# Altium PCB m-BLANC.PcbDoc (part 13 of 15) (continued)
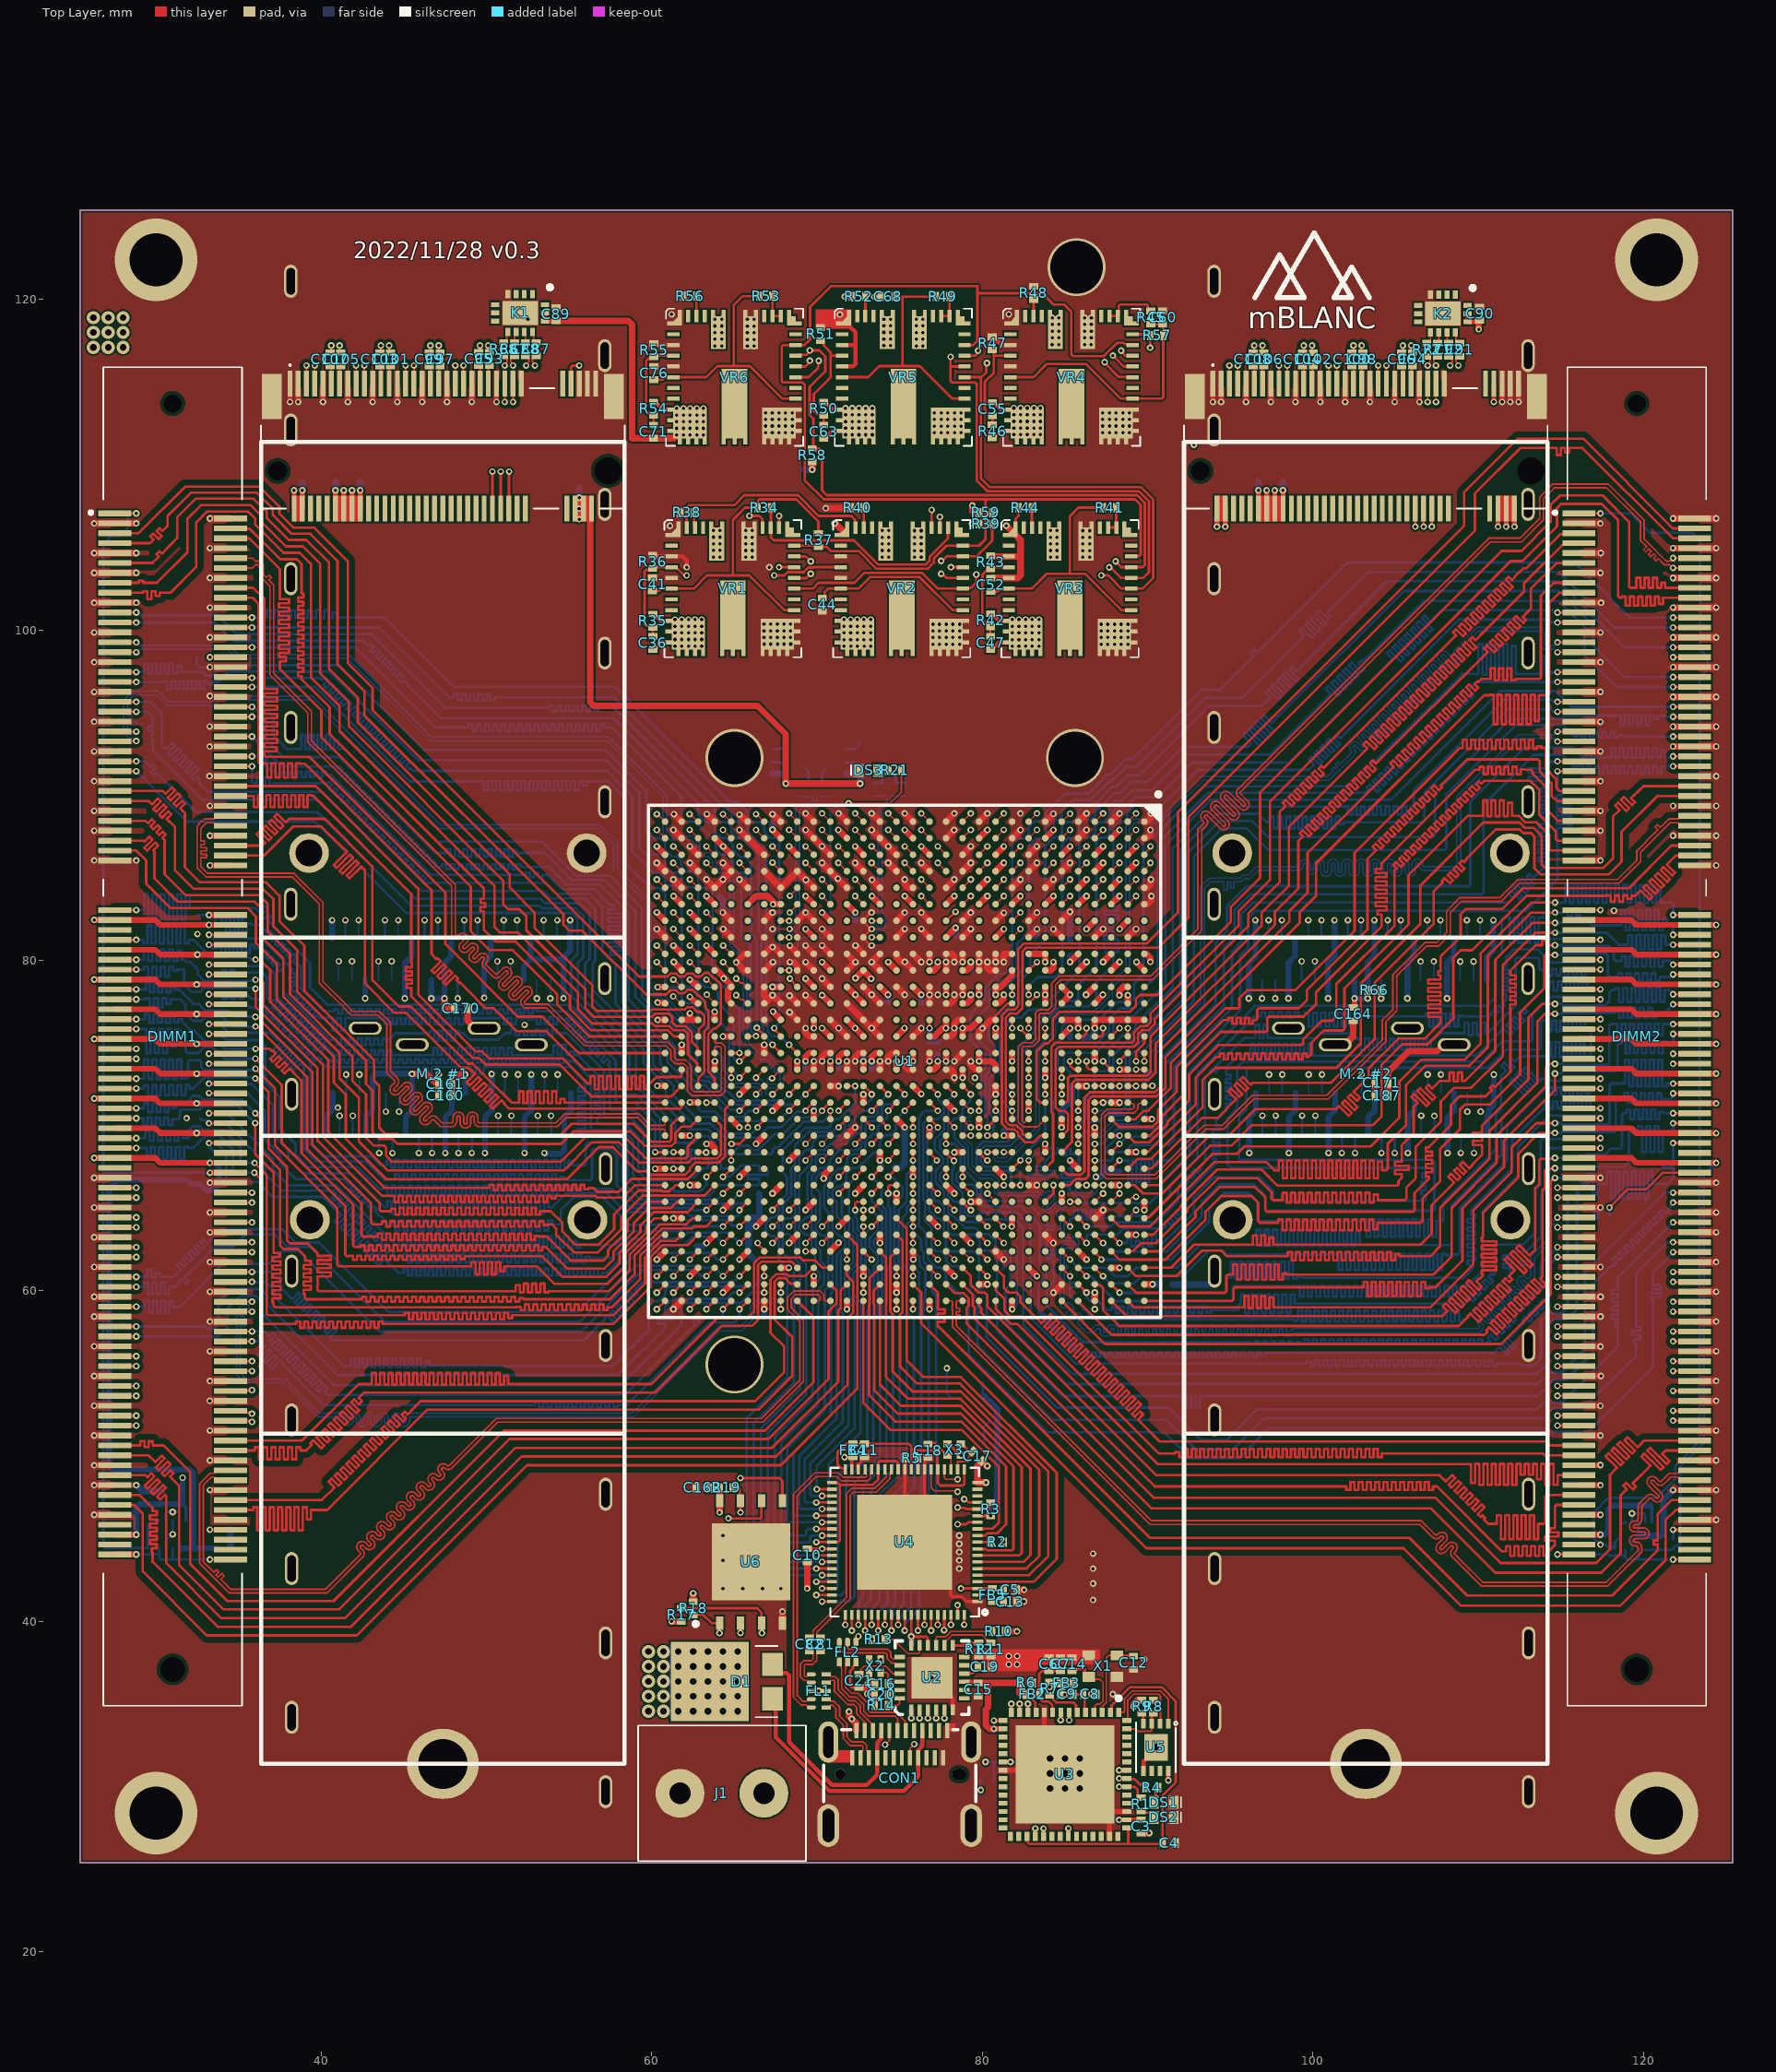
[diagram p0: Top Layer view]
## Nets (pads, with @x,y where several pads share a name; then routed paths per layer and width w, separated by ;. In a path a pad name is that pad's centre, name@x,y a point inside that pad or via, vN(x,y) a via of type N, cw(c..) or ccw(c..) an arc to the next point about the centre after c; other vN are vias at no path point) (continued)
  Bottom Layer w0.1: 100.15,69.48 v1(100.15,70.605)
QSFP1_RX3_P: "QSFP+ #1.15" U1.Y6 | length 77.4
  Top Layer w0.1: v1(70.3,83.9) U1.Y6@70.8,83.4
  InLayer2 (Signal) w0.1: v1(70.3,83.9) 70.3,84.229 70.359,84.288 70.632,84.288 70.69,84.229 70.69,76.649 70.881,76.459 101.296,76.459 101.505,76.459 101.695,76.649 101.695,76.949 101.895,76.949 101.895,76.584 102.027,76.452 102.413,76.452 102.545,76.584 102.545,76.949 102.745,76.949 102.745,76.584 102.877,76.452 103.263,76.452 103.395,76.584 103.395,76.949 103.595,76.949 103.595,76.584 103.727,76.452 104.113,76.452 104.245,76.584 104.245,76.949 104.445,76.949 104.445,76.582 104.577,76.45 104.963,76.45 105.095,76.582 105.095,76.949 105.295,76.949 105.295,76.582 105.427,76.45 105.813,76.45 105.945,76.582 105.945,76.903 106.145,76.903 106.145,76.649 106.335,76.459 106.601,76.459 106.909,76.459 106.976,76.391 106.976,75.403 106.976,74.993 106.917,74.934 106.113,74.934 105.981,74.802 105.981,74.416 106.113,74.284 106.917,74.284 106.976,74.225 106.976,74.11 106.976,73.9 106.917,73.842 106.194,73.842 106.004,73.651 106.004,72.713 106.194,72.522 107.641,72.522 107.7,72.464 107.7,69.834 107.641,69.775 106.91,69.775 106.55,69.775 106.55,69.97 106.35,69.97 106.35,69.775 106.3,69.775 102.102,69.775 101.804,69.775 101.746,69.834 101.746,71.071 101.614,71.203 101.228,71.203 101.096,71.071 101.096,69.834 101.037,69.775 100.921,69.775 99.659,69.775 99.6,69.834 99.6,70.041 99.659,70.1 100.6,70.1 100.7,70.2 100.76,70.26 100.76,71.003 100.57,71.194 99.832,71.194 99.638,70.999 99.638,70.73 99.57,70.662 99.407,70.662 v1(99.35,70.605)
  Bottom Layer w0.1: 99.35,69.48 v1(99.35,70.605)
QSFP1_RX4_N: "QSFP+ #1.24" U1.W3 | length 75.5
  Top Layer w0.1: v1(71.28,86.9) 71.29,86.9 71.79,86.4 U1.W3@71.8,86.4
  InLayer2 (Signal) w0.1: v1(71.28,86.9) 71.28,86.571 71.184,86.475 71.037,86.475 70.648,86.086 70.648,85.757 70.418,85.527 70.114,85.527 69.725,85.138 69.725,76.97 70.65,76.045 70.65,75.743 71.274,75.119 89.19,75.119 89.399,75.119 89.59,75.309 89.59,75.93 89.79,75.93 89.79,75.251 89.921,75.119 90.308,75.119 90.44,75.251 90.44,75.93 90.64,75.93 90.64,75.251 90.771,75.119 91.158,75.119 91.29,75.251 91.29,75.93 91.49,75.93 91.49,75.251 91.621,75.119 92.008,75.119 92.14,75.251 92.14,75.93 92.34,75.93 92.34,75.251 92.471,75.119 92.858,75.119 92.99,75.251 92.99,75.93 93.19,75.93 93.19,75.251 93.321,75.119 93.708,75.119 93.84,75.251 93.84,75.93 94.04,75.93 94.04,75.251 94.171,75.119 94.558,75.119 94.69,75.251 94.69,75.93 94.89,75.93 94.89,75.251 95.021,75.119 95.408,75.119 95.54,75.251 95.54,75.93 95.74,75.93 95.74,75.251 95.871,75.119 96.258,75.119 96.39,75.251 96.39,75.447 96.59,75.447 96.59,75.309 96.78,75.119 97.621,75.119 99.553,75.119 100.462,76.027 104.212,76.027 104.283,75.957 104.283,75.303 104.473,75.113 105.466,75.113 105.525,75.054 105.525,73.814 105.525,73.564 105.144,73.564 105.144,73.364 105.525,73.364 105.525,73.164 105.412,73.164 105.412,72.964 105.525,72.964 105.525,72.616 105.525,72.116 105.466,72.057 99.321,72.057 99.263,72.116 99.263,73.407 99.321,73.465 99.941,73.465 99.999,73.407 99.999,73.345 99.999,73.263 99.941,73.204 99.935,73.204 99.831,73.1 v1(99.75,73.1)
  Bottom Layer w0.1: 99.75,71.98 v1(99.75,73.1)
QSFP1_RX4_P: "QSFP+ #1.25" U1.W4 | length 75.7
  Top Layer w0.1: v1(71.28,85.9) 71.29,85.9 71.79,85.4 U1.W4@71.8,85.4
  InLayer2 (Signal) w0.1: v1(71.28,85.9) 71.28,86.191 71.221,86.25 71.13,86.25 70.873,85.993 70.873,85.664 70.511,85.302 70.207,85.302 69.95,85.045 69.95,77.063 70.875,76.138 70.875,75.836 71.368,75.344 89.19,75.344 89.306,75.344 89.365,75.402 89.365,76.023 89.496,76.155 89.883,76.155 90.015,76.023 90.015,75.344 90.215,75.344 90.215,76.023 90.346,76.155 90.733,76.155 90.865,76.023 90.865,75.344 91.065,75.344 91.065,76.023 91.196,76.155 91.583,76.155 91.715,76.023 91.715,75.344 91.915,75.344 91.915,76.023 92.046,76.155 92.433,76.155 92.565,76.023 92.565,75.344 92.765,75.344 92.765,76.023 92.896,76.155 93.283,76.155 93.415,76.023 93.415,75.344 93.615,75.344 93.615,76.023 93.746,76.155 94.133,76.155 94.265,76.023 94.265,75.344 94.465,75.344 94.465,76.023 94.596,76.155 94.983,76.155 95.115,76.023 95.115,75.344 95.315,75.344 95.315,76.023 95.446,76.155 95.833,76.155 95.965,76.023 95.965,75.344 96.165,75.344 96.165,75.54 96.296,75.672 96.683,75.672 96.815,75.54 96.815,75.402 96.873,75.344 97.621,75.344 99.46,75.344 100.368,76.252 104.305,76.252 104.508,76.05 104.508,75.396 104.567,75.338 105.56,75.338 105.75,75.147 105.75,72.022 105.56,71.832 99.228,71.832 99.038,72.022 99.038,73.5 99.228,73.69 100.034,73.69 100.224,73.5 100.224,73.439 100.224,73.263 100.33,73.157 100.493,73.157 v1(100.55,73.1)
  Bottom Layer w0.1: 100.55,71.98 v1(100.55,73.1)
QSFP1_TX1_N: "QSFP+ #1.37" U1.AF1 | length 71.6
  Top Layer w0.1: v1(64.3,88.855) 64.323,88.855 64.777,88.4 U1.AF1@64.8,88.4
  InLayer2 (Signal) w0.1: v1(64.3,88.855) 64.243,88.798 64.243,88.549 64.107,88.413 63.873,88.413 63.839,88.413 63.648,88.222 63.648,87.648 64.039,87.257 65.438,87.257 65.65,87.045 65.65,84.761 65.45,84.561 65.45,80.634 65.452,80.631 65.452,77.445 64.704,76.697 64.704,73.673 65.057,73.32 65.375,73.32 65.725,72.97 65.725,71.662 66.112,71.275 71.8,71.275 72.358,70.717 72.776,70.299 87.29,70.299 87.764,69.825 88.489,69.825 90.539,67.775 110.03,67.775 110.325,68.07 110.325,68.6 110.325,69.797 109.859,70.263 109.859,70.729 109.922,70.793 110.093,70.793 v1(110.15,70.85)
  Bottom Layer w0.1: v1(110.15,70.85) 110.15,71.98
QSFP1_TX1_P: "QSFP+ #1.36" U1.AF2 | length 71.7
  Top Layer w0.1: v1(64.3,87.9) U1.AF2@64.8,87.4
  InLayer2 (Signal) w0.1: v1(64.3,87.9) 64.243,87.957 64.243,88.12 64.175,88.188 63.966,88.188 63.932,88.188 63.873,88.129 63.873,87.741 64.132,87.482 65.531,87.482 65.875,87.138 65.875,84.668 65.675,84.468 65.675,80.727 65.677,80.725 65.677,77.352 64.929,76.603 64.929,73.766 65.15,73.545 65.468,73.545 65.95,73.063 65.95,71.755 66.205,71.5 71.893,71.5 72.583,70.81 72.869,70.524 87.383,70.524 87.857,70.05 88.582,70.05 90.632,68 109.937,68 110.1,68.163 110.1,68.6 110.1,68.853 109.817,68.853 109.817,69.053 110.1,69.053 110.1,69.253 109.75,69.253 109.75,69.453 110.1,69.453 110.1,69.703 ; v1(109.35,70.85) 109.407,70.793 109.563,70.793 109.634,70.722 109.634,70.17 110.1,69.703
  Bottom Layer w0.1: v1(109.35,70.85) 109.35,71.98
QSFP1_TX2_N: "QSFP+ #1.2" U1.AD1 | length 72.5
  Top Layer w0.1: v1(66.3,88.855) 66.323,88.855 66.777,88.4 U1.AD1@66.8,88.4
  InLayer2 (Signal) w0.1: v1(66.3,88.855) 66.3,88.549 66.359,88.49 66.535,88.49 66.875,88.15 66.875,87.657 66.4,87.182 66.4,84.592 66.1,84.292 66.1,80.903 66.102,80.901 66.102,77.115 65.405,76.418 65.405,75.104 65.534,74.975 65.538,74.975 65.996,74.517 65.996,74.094 66.289,73.801 66.578,73.801 66.875,73.503 66.875,72.625 66.982,72.518 69.7,72.518 70.218,72 72.204,72 72.655,71.55 75.321,71.55 75.955,71.55 76.145,71.36 76.145,71.093 76.345,71.093 76.345,71.36 76.535,71.55 76.931,71.55 79.445,71.55 80.925,71.55 81.25,71.55 81.25,71.589 81.45,71.589 81.45,71.55 81.7,71.55 82.8,71.55 83.316,71.55 83.506,71.36 83.506,71.07 83.706,71.07 83.706,71.418 83.838,71.55 84.224,71.55 84.356,71.418 84.356,71.07 84.556,71.07 84.556,71.36 84.747,71.55 84.956,71.55 85.45,71.55 85.937,72.037 87.477,72.037 87.95,71.563 87.95,71 88.189,70.761 89.299,70.761 91.135,68.925 91.57,68.925 92.204,68.925 92.395,68.735 92.395,68.425 92.595,68.425 92.595,68.793 92.726,68.925 93.113,68.925 93.245,68.793 93.245,68.425 93.445,68.425 93.445,68.793 93.576,68.925 93.963,68.925 94.095,68.793 94.095,68.425 94.295,68.425 94.295,68.793 94.426,68.925 94.813,68.925 94.945,68.793 94.945,68.426 95.145,68.426 95.145,68.735 95.335,68.925 95.819,68.925 98.84,68.925 99.068,68.925 99.258,68.735 99.258,68.425 99.458,68.425 99.458,68.793 99.59,68.925 99.976,68.925 100.108,68.793 100.108,68.425 100.308,68.425 100.308,68.735 100.499,68.925 100.708,68.925 109.188,68.925 109.462,68.651 109.462,68.475 109.53,68.407 109.693,68.407 v1(109.75,68.35)
  Bottom Layer w0.1: v1(109.75,68.35) 109.75,69.48
QSFP1_TX2_P: "QSFP+ #1.3" U1.AD2 | length 72.6
  Top Layer w0.1: v1(66.3,87.9) U1.AD2@66.8,87.4
  InLayer2 (Signal) w0.1: v1(66.3,87.9) 66.3,88.206 66.359,88.265 66.441,88.265 66.65,88.056 66.65,87.75 66.341,87.441 66.175,87.275 66.175,84.685 65.875,84.385 65.875,80.81 65.877,80.807 65.877,77.209 65.18,76.511 65.18,75.011 65.441,74.75 65.445,74.75 65.771,74.424 65.771,74.001 66.196,73.576 66.485,73.576 66.65,73.41 66.65,72.532 66.889,72.293 69.607,72.293 69.675,72.225 69.9,72 70.125,71.775 72.111,71.775 72.562,71.325 75.321,71.325 75.862,71.325 75.92,71.266 75.92,71 76.052,70.868 76.438,70.868 76.57,71 76.57,71.266 76.629,71.325 76.931,71.325 79.538,71.325 ; 79.538,71.325 82.8,71.325 83.223,71.325 83.281,71.266 83.281,70.977 83.413,70.845 83.799,70.845 83.931,70.977 83.931,71.325 84.131,71.325 84.131,70.977 84.263,70.845 84.649,70.845 84.781,70.977 84.781,71.266 84.84,71.325 84.956,71.325 85.543,71.325 86.03,71.812 86.353,71.812 86.555,71.812 86.555,71.756 86.755,71.756 86.755,71.812 86.805,71.812 87.383,71.812 87.725,71.47 87.725,70.906 88.096,70.536 89.206,70.536 91.042,68.7 91.57,68.7 92.111,68.7 92.17,68.641 92.17,68.332 92.301,68.2 92.688,68.2 92.82,68.332 92.82,68.7 93.02,68.7 93.02,68.332 93.151,68.2 93.538,68.2 93.67,68.332 93.67,68.7 93.87,68.7 93.87,68.332 94.001,68.2 94.388,68.2 94.52,68.332 94.52,68.7 94.72,68.7 94.72,68.333 94.851,68.201 95.238,68.201 95.37,68.333 95.37,68.641 95.428,68.7 95.819,68.7 98.84,68.7 98.975,68.7 99.033,68.641 99.033,68.332 99.165,68.2 99.551,68.2 99.683,68.332 99.683,68.7 99.883,68.7 99.883,68.332 100.015,68.2 100.401,68.2 100.533,68.332 100.533,68.641 100.592,68.7 100.708,68.7 106.3,68.7 106.55,68.7 106.55,68.483 106.75,68.483 106.75,68.7 107.41,68.7 109.095,68.7 109.237,68.557 109.237,68.475 109.17,68.407 109.007,68.407 v1(108.95,68.35)
  Bottom Layer w0.1: v1(108.95,68.35) 108.95,69.48
QSFP1_TX3_N: "QSFP+ #1.34" U1.AB1 | length 73.4
  Top Layer w0.1: v1(68.3,88.9) U1.AB1@68.8,88.4
  InLayer2 (Signal) w0.1: v1(68.3,88.9) 68.3,88.571 68.359,88.513 68.535,88.513 68.875,88.172 68.875,87.662 68.538,87.325 68.132,87.325 67.95,87.143 67.95,85.541 66.525,84.116 66.525,81.079 66.527,81.077 66.527,76.811 65.95,76.234 65.95,75.255 66.655,74.55 68.165,73.04 72.516,73.04 73.025,72.531 82.844,72.531 82.848,72.536 83.324,72.536 83.329,72.531 84.931,72.531 85.388,72.988 87.525,72.988 87.926,72.587 87.926,72.279 88.163,72.042 89.987,72.042 92.68,69.35 108.618,69.35 108.677,69.409 108.677,69.797 108.677,70.05 108.402,70.05 108.402,70.25 108.677,70.25 108.677,70.45 108.376,70.45 108.376,70.65 108.677,70.65 108.677,70.9 108.677,71.267 108.677,71.383 108.618,71.441 108.47,71.441 108.339,71.573 108.339,71.959 108.47,72.091 110.122,72.091 110.122,72.291 108.618,72.291 108.486,72.423 108.486,72.809 108.618,72.941 108.677,73 108.677,73.238 ; v1(107.75,73.1) 107.693,73.157 107.53,73.157 107.463,73.225 107.463,73.307 107.605,73.45 108.47,73.45 108.677,73.243
  Bottom Layer w0.1: 107.75,71.98 v1(107.75,73.1)
QSFP1_TX3_P: "QSFP+ #1.33" U1.AB2 | length 73.3
  Top Layer w0.1: v1(68.3,87.9) U1.AB2@68.8,87.4
  InLayer2 (Signal) w0.1: v1(68.3,87.9) 68.3,88.229 68.359,88.288 68.441,88.288 68.65,88.079 68.65,87.755 68.445,87.55 68.038,87.55 67.725,87.237 67.725,85.634 66.3,84.209 66.3,80.986 66.302,80.984 66.302,76.904 65.725,76.327 65.725,75.162 66.562,74.325 67.879,73.008 68.072,72.815 72.423,72.815 72.931,72.306 82.937,72.306 82.941,72.311 83.231,72.311 83.235,72.306 85.025,72.306 85.481,72.763 87.432,72.763 87.445,72.75 87.65,72.545 87.701,72.494 87.701,72.186 88.07,71.817 89.894,71.817 92.587,69.125 108.711,69.125 108.902,69.315 108.902,69.797 108.902,71.267 108.902,71.476 108.711,71.666 108.564,71.666 108.564,71.866 110.215,71.866 110.347,71.998 110.347,72.384 110.215,72.516 108.711,72.516 108.711,72.716 108.902,72.907 108.902,73.238 108.902,73.336 108.563,73.675 107.512,73.675 107.237,73.401 107.237,73.225 107.17,73.157 107.007,73.157 v1(106.95,73.1)
  Bottom Layer w0.1: 106.95,71.98 v1(106.95,73.1)
QSFP1_TX4_N: "QSFP+ #1.5" U1.Y1 | length 73.9
  Top Layer w0.1: v1(70.3,88.9) U1.Y1@70.8,88.4
  InLayer2 (Signal) w0.1: v1(70.3,88.9) 70.3,88.606 70.359,88.547 70.74,88.547 70.93,88.357 70.93,87.44 70.74,87.25 69.597,87.25 69.064,87.25 68.9,87.086 68.9,86.482 68.725,86.307 68.725,85.715 66.95,83.94 66.95,81.255 66.952,81.253 66.952,75.761 67.163,75.55 67.468,75.55 67.935,75.083 67.935,74.101 68.51,73.526 87.649,73.526 88.125,73.05 90.71,73.05 93.985,69.775 98.711,69.775 98.769,69.834 98.769,70.333 98.769,70.45 98.624,70.45 98.624,70.65 98.769,70.65 98.769,70.9 98.769,71.363 99.035,71.628 102.011,71.628 102.718,71.628 102.909,71.438 102.909,70.331 103.109,70.331 103.109,71.5 103.24,71.632 103.627,71.632 103.759,71.5 103.759,70.331 103.959,70.331 103.959,71.5 104.09,71.632 104.477,71.632 104.609,71.5 104.609,70.331 104.809,70.331 104.809,71.5 104.94,71.632 105.327,71.632 105.459,71.5 105.459,70.331 105.659,70.331 105.659,71.438 105.849,71.628 106.058,71.628 106.662,71.628 107.077,71.213 107.077,70.733 107.158,70.651 107.293,70.651 v1(107.35,70.594)
  Bottom Layer w0.1: 107.35,69.48 v1(107.35,70.594)
QSFP1_TX4_P: "QSFP+ #1.6" U1.Y2 | length 73.9
  Top Layer w0.1: v1(70.3,87.9) U1.Y2@70.8,87.4
  InLayer2 (Signal) w0.1: v1(70.3,87.9) 70.3,88.264 70.359,88.322 70.646,88.322 70.705,88.264 70.705,87.534 70.646,87.475 70.088,87.475 69.847,87.475 69.847,87.752 69.647,87.752 69.647,87.475 69.597,87.475 68.971,87.475 68.675,87.179 68.675,86.575 68.5,86.4 68.5,85.808 66.725,84.033 66.725,81.162 66.727,81.16 66.727,75.668 67.07,75.325 67.375,75.325 67.71,74.99 67.71,74.008 68.417,73.301 87.555,73.301 88.032,72.825 90.617,72.825 93.892,69.55 98.804,69.55 98.994,69.74 98.994,70.333 98.994,71.269 99.128,71.403 102.011,71.403 102.625,71.403 102.684,71.344 102.684,70.238 102.815,70.106 103.202,70.106 103.334,70.238 103.334,71.407 103.534,71.407 103.534,70.238 103.665,70.106 104.052,70.106 104.184,70.238 104.184,71.407 104.384,71.407 104.384,70.238 104.515,70.106 104.902,70.106 105.034,70.238 105.034,71.407 105.234,71.407 105.234,70.238 105.365,70.106 105.752,70.106 105.884,70.238 105.884,71.344 105.942,71.403 106.058,71.403 106.569,71.403 106.852,71.12 106.852,70.722 106.792,70.662 106.614,70.662 v1(106.556,70.605)
  Bottom Layer w0.1: 106.55,69.48 106.553,69.483 106.553,70.602 v1(106.556,70.605)
QSFP2_RX1_N: "QSFP+ #2.18" U1.V5 | length 52.9
  Top Layer w0.1: v1(72.3,84.9) U1.V5@72.8,84.4
  InLayer2 (Signal) w0.1: v1(72.3,84.9) 72.3,84.571 72.241,84.513 71.97,84.513 71.721,84.264 71.721,77.683 72.079,77.325 90.694,77.325 91.654,78.285 110.064,78.285 110.295,78.515 110.295,81.547 109.833,82.01 109.833,82.235 109.891,82.294 109.892,82.294 110.039,82.44 v1(110.12,82.44)
  Bottom Layer w0.1: 110.12,81.32 v1(110.12,82.44)
QSFP2_RX1_P: "QSFP+ #2.17" U1.V6 | length 52.4
  Top Layer w0.1: v1(72.3,83.9) U1.V6@72.8,83.4
  InLayer2 (Signal) w0.1: v1(72.3,83.9) 72.3,84.229 72.241,84.288 72.063,84.288 71.946,84.17 71.946,77.776 72.172,77.55 90.601,77.55 91.56,78.51 109.971,78.51 110.07,78.609 110.07,80.25 110.07,80.35 110.023,80.35 110.023,80.55 110.07,80.55 110.07,80.75 109.841,80.75 109.841,80.95 110.07,80.95 110.07,81.2 110.07,81.454 109.607,81.917 109.607,82.235 109.549,82.294 109.548,82.294 109.401,82.44 v1(109.32,82.44)
  Bottom Layer w0.1: 109.32,81.32 v1(109.32,82.44)
QSFP2_RX2_N: "QSFP+ #2.21" U1.U3 | length 50.6
  Top Layer w0.1: v1(73.3,86.9) U1.U3@73.8,86.4
  InLayer2 (Signal) w0.1: v1(73.3,86.9) 73.3,86.577 73.359,86.519 73.735,86.519 73.925,86.328 73.925,85.421 73.735,85.231 72.981,85.231 72.922,85.172 72.922,78.678 73.103,78.497 89.538,78.497 89.543,78.493 90.893,78.493 91.46,79.06 108.067,79.06 108.277,79.27 108.277,80.579 108.468,80.769 109.232,80.769 109.422,80.579 109.422,80.4 109.422,80.094 109.52,79.995 109.663,79.995 v1(109.72,79.938)
  Bottom Layer w0.1: 109.72,78.82 v1(109.72,79.938)
QSFP2_RX2_P: "QSFP+ #2.22" U1.U4 | length 50.6
  Top Layer w0.1: v1(73.3,85.9) U1.U4@73.8,85.4
  InLayer2 (Signal) w0.1: v1(73.3,85.9) 73.3,86.229 73.365,86.294 73.641,86.294 73.7,86.235 73.7,85.515 73.641,85.456 72.888,85.456 72.697,85.266 72.697,82.5 72.697,81.95 72.517,81.95 72.517,81.75 72.697,81.75 72.697,81.7 72.697,78.585 73.01,78.272 89.445,78.272 89.449,78.268 90.986,78.268 91.553,78.835 108.161,78.835 108.502,79.176 108.502,80.485 108.561,80.544 109.139,80.544 109.197,80.485 109.197,80.307 109.197,80.073 109.12,79.995 108.977,79.995 v1(108.92,79.938)
  Bottom Layer w0.1: 108.92,78.82 v1(108.92,79.938)
QSFP2_RX3_N: "QSFP+ #2.14" U1.R3 | length 50.7
  Top Layer w0.1: v1(75.3,86.9) U1.R3@75.8,86.4
  InLayer2 (Signal) w0.1: v1(75.3,86.9) 75.3,86.571 75.241,86.513 74.9,86.513 74.865,86.512 74.675,86.322 74.675,85.775 73.675,84.775 73.675,78.965 73.865,78.775 90.798,78.775 91.393,79.37 107.771,79.37 107.961,79.56 107.961,81.656 108.337,82.032 108.337,82.859 108.146,83.049 107.516,83.049 107.248,82.782 107.248,82.605 107.14,82.497 106.977,82.497 v1(106.92,82.44)
  Bottom Layer w0.1: 106.92,81.32 v1(106.92,82.44)
QSFP2_RX3_P: "QSFP+ #2.15" U1.R4 | length 51.2
  Top Layer w0.1: v1(75.3,85.9) U1.R4@75.8,85.4
  InLayer2 (Signal) w0.1: v1(75.3,85.9) 75.3,86.229 75.241,86.288 74.993,86.288 74.959,86.287 74.9,86.229 74.9,85.682 73.9,84.682 73.9,79.059 73.959,79 90.705,79 91.299,79.595 107.678,79.595 107.736,79.653 107.736,79.954 107.736,80.503 107.339,80.503 107.339,80.703 107.736,80.703 107.736,80.903 107.314,80.903 107.314,81.103 107.736,81.103 107.736,81.303 107.314,81.303 107.314,81.503 107.736,81.503 107.736,81.75 107.798,81.812 108.112,82.125 108.112,82.766 108.053,82.824 107.609,82.824 107.473,82.688 107.473,82.605 107.639,82.44 v1(107.72,82.44)
  Bottom Layer w0.1: 107.72,81.32 v1(107.72,82.44)
QSFP2_RX4_N: "QSFP+ #2.24" U1.P5 | length 52.4
  Top Layer w0.1: v1(76.3,84.9) U1.P5@76.8,84.4
  InLayer2 (Signal) w0.1: v1(76.3,84.9) 76.3,84.571 76.359,84.513 76.693,84.513 76.959,84.247 76.959,80.559 77.018,80.5 90.1,80.5 90.84,81.24 99.768,81.24 100.237,81.24 100.428,81.05 100.428,80.836 100.628,80.836 100.628,81.268 100.76,81.4 101.146,81.4 101.278,81.268 101.278,80.211 101.478,80.211 101.478,81.268 101.61,81.4 101.996,81.4 102.128,81.268 102.128,80.211 102.328,80.211 102.328,81.268 102.46,81.4 102.846,81.4 102.978,81.268 102.978,80.211 103.178,80.211 103.178,81.268 103.31,81.4 103.696,81.4 103.828,81.268 103.828,80.211 104.028,80.211 104.028,81.268 104.16,81.4 104.546,81.4 104.678,81.268 104.678,80.211 104.878,80.211 104.878,81.268 105.01,81.4 105.396,81.4 105.528,81.268 105.528,80.211 105.728,80.211 105.728,81.05 105.918,81.24 106.127,81.24 106.836,81.24 107.026,81.05 107.026,80.567 107.026,80.517 107.045,80.517 107.045,80.317 107.026,80.317 107.026,80.211 107.026,80.063 107.087,80.002 107.263,80.002 v1(107.32,79.945)
  Bottom Layer w0.1: 107.32,78.82 v1(107.32,79.945)
QSFP2_RX4_P: "QSFP+ #2.25" U1.P6 | length 52.4
  Top Layer w0.1: v1(76.3,83.9) U1.P6@76.8,83.4
  InLayer2 (Signal) w0.1: v1(76.3,83.9) 76.3,84.229 76.359,84.288 76.6,84.288 76.734,84.153 76.734,81.4 76.734,81.15 76.53,81.15 76.53,80.95 76.734,80.95 76.734,80.829 76.734,80.465 76.924,80.275 90.193,80.275 90.933,81.015 99.768,81.015 100.144,81.015 100.203,80.956 100.203,80.743 100.335,80.611 100.721,80.611 100.853,80.743 100.853,81.175 101.053,81.175 101.053,80.118 101.185,79.986 101.571,79.986 101.703,80.118 101.703,81.175 101.903,81.175 101.903,80.118 102.035,79.986 102.421,79.986 102.553,80.118 102.553,81.175 102.753,81.175 102.753,80.118 102.885,79.986 103.271,79.986 103.403,80.118 103.403,81.175 103.603,81.175 103.603,80.118 103.735,79.986 104.121,79.986 104.253,80.118 104.253,81.175 104.453,81.175 104.453,80.118 104.585,79.986 104.971,79.986 105.103,80.118 105.103,81.175 105.303,81.175 105.303,80.118 105.435,79.986 105.821,79.986 105.953,80.118 105.953,80.956 106.011,81.015 106.127,81.015 106.743,81.015 106.801,80.956 106.801,80.076 106.728,80.002 106.577,80.002 v1(106.52,79.945)
  Bottom Layer w0.1: 106.52,78.82 v1(106.52,79.945)
QSFP2_TX1_N: "QSFP+ #2.37" U1.V1 | length 49.5
  Top Layer w0.1: v1(72.3,88.9) U1.V1@72.8,88.4
  InLayer2 (Signal) w0.1: v1(72.3,88.9) 72.25,88.85 72.25,88.609 72.324,88.535 72.76,88.535 72.95,88.345 72.95,87.465 72.76,87.275 71.959,87.275 71.9,87.216 71.9,84.725 71.4,84.225 71.4,77.167 71.459,77.109 83.279,77.109 91.4,77.109 91.516,77.109 91.574,77.167 91.574,77.786 91.706,77.918 92.093,77.918 92.224,77.786 92.224,77.109 92.424,77.109 92.424,77.786 92.556,77.918 92.943,77.918 93.074,77.786 93.074,77.109 93.274,77.109 93.274,77.786 93.406,77.918 93.793,77.918 93.924,77.786 93.924,77.109 94.124,77.109 94.124,77.786 94.256,77.918 94.643,77.918 94.774,77.786 94.774,77.109 94.974,77.109 94.974,77.786 95.106,77.918 95.493,77.918 95.625,77.786 95.625,77.167 95.683,77.109 95.875,77.109 95.925,77.109 95.925,77.31 96.125,77.31 96.125,77.109 96.444,77.109 97.097,77.109 97.207,77.219 97.207,77.575 97.14,77.643 96.977,77.643 v1(96.92,77.7)
  Bottom Layer w0.1: v1(96.92,77.7) 96.92,78.82
QSFP2_TX1_P: "QSFP+ #2.36" U1.V2 | length 49.5
  Top Layer w0.1: v1(72.3,87.9) U1.V2@72.8,87.4
  InLayer2 (Signal) w0.1: v1(72.3,87.9) 72.243,87.957 72.243,88.229 72.324,88.31 72.666,88.31 72.725,88.251 72.725,87.559 72.666,87.5 71.865,87.5 71.675,87.31 71.675,84.819 71.175,84.319 71.175,77.074 71.365,76.884 83.372,76.884 91.4,76.884 91.609,76.884 91.799,77.074 91.799,77.693 91.999,77.693 91.999,77.015 92.131,76.884 92.518,76.884 92.649,77.015 92.649,77.693 92.849,77.693 92.849,77.015 92.981,76.884 93.368,76.884 93.499,77.015 93.499,77.693 93.699,77.693 93.699,77.015 93.831,76.884 94.218,76.884 94.349,77.015 94.349,77.693 94.549,77.693 94.549,77.015 94.681,76.884 95.068,76.884 95.199,77.015 95.199,77.693 95.399,77.693 95.399,77.074 95.59,76.884 95.875,76.884 97.191,76.884 97.433,77.126 97.433,77.575 97.5,77.643 97.663,77.643 v1(97.72,77.7)
  Bottom Layer w0.1: v1(97.72,77.7) 97.72,78.82
QSFP2_TX2_N: "QSFP+ #2.2" U1.T1 | length 49.1
  Top Layer w0.1: v1(74.3,88.9) U1.T1@74.8,88.4
  InLayer2 (Signal) w0.1: v1(74.3,88.9) 74.3,88.571 74.241,88.513 74.1,88.513 73.9,88.713 73.9,89.1 74.1,89.3 76.431,89.3 76.765,88.965 76.8,88.931 76.8,88.382 77.241,87.941 77.241,87.532 77.536,87.236 77.65,87.123 77.65,81.49 77.84,81.3 89.685,81.3 89.875,81.49 89.875,81.775 89.989,81.889 94.894,81.889 95.085,82.08 95.085,82.185 95.085,82.436 95.395,82.436 95.395,82.636 95.085,82.636 95.085,82.836 95.285,82.836 95.285,83.036 95.085,83.036 95.085,83.5 95.085,84.341 95.143,84.4 95.328,84.4 95.594,84.4 95.653,84.341 95.653,83.399 95.784,83.267 96.171,83.267 96.303,83.399 96.303,84.81 96.503,84.81 96.503,83.399 96.634,83.267 97.021,83.267 97.153,83.399 97.153,84.81 97.353,84.81 97.353,83.581 97.484,83.45 97.871,83.45 98.003,83.581 98.003,84.341 98.061,84.4 98.177,84.4 98.441,84.4 98.5,84.341 98.5,83.083 98.441,83.025 97.8,83.025 97.61,82.834 97.61,82.566 97.541,82.497 97.381,82.497 v1(97.324,82.44)
  Bottom Layer w0.1: 97.32,81.32 97.322,81.322 97.322,82.438 v1(97.324,82.44)
QSFP2_TX2_P: "QSFP+ #2.3" U1.T2 | length 49.2
  Top Layer w0.1: v1(74.3,87.9) U1.T2@74.8,87.4
  InLayer2 (Signal) w0.1: v1(74.3,87.9) 74.3,88.229 74.241,88.288 74.007,88.288 73.675,88.619 73.675,89.193 74.007,89.525 76.524,89.525 77.025,89.024 77.025,88.475 77.4,88.1 77.475,88.025 77.475,87.616 77.875,87.216 77.875,81.584 77.934,81.525 89.591,81.525 89.65,81.584 89.65,81.868 89.896,82.114 94.801,82.114 94.86,82.173 94.86,84.435 95.05,84.625 95.328,84.625 95.687,84.625 95.878,84.435 95.878,83.492 96.078,83.492 96.078,84.903 96.209,85.035 96.596,85.035 96.728,84.903 96.728,83.492 96.928,83.492 96.928,84.903 97.059,85.035 97.446,85.035 97.578,84.903 97.578,83.675 97.778,83.675 97.778,84.435 97.968,84.625 98.177,84.625 98.535,84.625 98.725,84.435 98.725,82.99 98.535,82.8 97.893,82.8 97.835,82.741 97.835,82.566 97.904,82.497 98.063,82.497 v1(98.121,82.44)
  Bottom Layer w0.1: 98.12,81.32 v1(98.121,82.44)
QSFP2_TX3_N: "QSFP+ #2.34" U1.P1 | length 62.8
  Top Layer w0.1: v1(76.3,88.9) U1.P1@76.8,88.4
  InLayer2 (Signal) w0.1: v1(76.3,88.9) 76.3,88.571 76.241,88.513 76.007,88.513 75.675,88.181 75.675,85.675 75.5,85.5 75.075,85.5 74.65,85.075 74.65,84.1 74.65,83.559 74.591,83.501 74.51,83.501 74.379,83.369 74.379,82.982 74.51,82.851 74.725,82.851 74.725,82.651 74.51,82.651 74.379,82.519 74.379,82.132 74.51,82.001 74.725,82.001 74.725,81.801 74.51,81.801 74.379,81.669 74.379,81.282 74.51,81.151 75.15,81.151 75.15,80.951 74.84,80.951 74.65,80.76 74.65,80.167 74.65,79.532 74.868,79.314 90.603,79.314 90.802,79.512 90.802,80.003 91.268,80.469 91.301,80.469 ; v1(99.321,79.95) 99.378,80.007 99.529,80.007 99.538,80.016 99.549,80.016 99.608,80.075 99.608,80.411 99.549,80.469 97.606,80.469 ; 91.301,80.469 91.623,80.469 ; 91.301,80.469 91.623,80.469 ; 91.623,80.469 91.681,80.411 ; 91.623,80.469 91.681,80.411 ; 91.681,80.313 91.681,80.411 ; 91.681,80.313 91.813,80.181 ; 91.681,80.313 91.681,80.411 ; 91.681,80.313 91.813,80.181 ; 91.813,80.181 92.2,80.181 ; 91.813,80.181 92.2,80.181 ; 92.2,80.181 92.331,80.313 ; 92.2,80.181 92.331,80.313 ; 92.331,80.313 92.331,80.482 ; 92.331,80.313 92.331,80.482 ; 92.331,80.482 92.531,80.482 ; 92.331,80.482 92.531,80.482 ; 92.531,79.927 92.663,79.795 ; 92.531,79.927 92.531,80.482 ; 92.531,79.927 92.531,80.482 ; 92.531,79.927 92.663,79.795 ; 92.663,79.795 93.05,79.795 ; 92.663,79.795 93.05,79.795 ; 93.05,79.795 93.181,79.927 ; 93.05,79.795 93.181,79.927 ; 93.181,79.927 93.181,80.482 ; 93.181,79.927 93.181,80.482 ; 93.181,80.482 93.381,80.482 ; 93.181,80.482 93.381,80.482 ; 93.381,79.927 93.381,80.482 ; 93.381,79.927 93.513,79.795 ; 93.381,79.927 93.381,80.482 ; 93.381,79.927 93.513,79.795 ; 93.513,79.795 93.9,79.795 ; 93.513,79.795 93.9,79.795 ; 93.9,79.795 94.031,79.927 ; 93.9,79.795 94.031,79.927 ; 94.031,79.927 94.031,80.482 ; 94.031,79.927 94.031,80.482 ; 94.031,80.482 94.231,80.482 ; 94.031,80.482 94.231,80.482 ; 94.231,79.927 94.363,79.795 ; 94.231,79.927 94.231,80.482 ; 94.231,79.927 94.231,80.482 ; 94.231,79.927 94.363,79.795 ; 94.363,79.795 94.75,79.795 ; 94.363,79.795 94.75,79.795 ; 94.75,79.795 94.881,79.927 ; 94.75,79.795 94.881,79.927 ; 94.881,79.927 94.881,80.482 ; 94.881,79.927 94.881,80.482 ; 94.881,80.482 95.081,80.482 ; 94.881,80.482 95.081,80.482 ; 95.081,79.927 95.213,79.795 ; 95.081,79.927 95.081,80.482 ; 95.081,79.927 95.081,80.482 ; 95.081,79.927 95.213,79.795 ; 95.213,79.795 95.6,79.795 ; 95.213,79.795 95.6,79.795 ; 95.6,79.795 95.731,79.927 ; 95.6,79.795 95.731,79.927 ; 95.731,79.927 95.731,80.482 ; 95.731,79.927 95.731,80.482 ; 95.731,80.482 95.931,80.482 ; 95.731,80.482 95.931,80.482 ; 95.931,79.927 95.931,80.482 ; 95.931,79.927 96.063,79.795 ; 95.931,79.927 95.931,80.482 ; 95.931,79.927 96.063,79.795 ; 96.063,79.795 96.45,79.795 ; 96.063,79.795 96.45,79.795 ; 96.45,79.795 96.581,79.927 ; 96.45,79.795 96.581,79.927 ; 96.581,79.927 96.581,80.482 ; 96.581,79.927 96.581,80.482 ; 96.581,80.482 96.781,80.482 ; 96.581,80.482 96.781,80.482 ; 96.781,79.927 96.913,79.795 ; 96.781,79.927 96.781,80.482 ; 96.781,79.927 96.781,80.482 ; 96.781,79.927 96.913,79.795 ; 96.913,79.795 97.3,79.795 ; 96.913,79.795 97.3,79.795 ; 97.3,79.795 97.431,79.927 ; 97.3,79.795 97.431,79.927 ; 97.431,79.927 97.431,80.411 ; 97.431,79.927 97.431,80.411 ; 97.431,80.411 97.49,80.469 ; 97.431,80.411 97.49,80.469 ; 97.49,80.469 97.606,80.469 ; 97.49,80.469 97.606,80.469
  Bottom Layer w0.1: 99.32,78.82 v1@99.32,79.95